# Altium PCB 继电器板.PcbDoc (part 2 of 2)
Units mm, origin at the board's own origin, x right, y up, seen from the top; angles counter-clockwise.
Board outline 160.63 x 75.01 mm, 2 copper layers (Top Layer, Bottom Layer); 170 components, 175 nets, 615 pads, 138 vias.
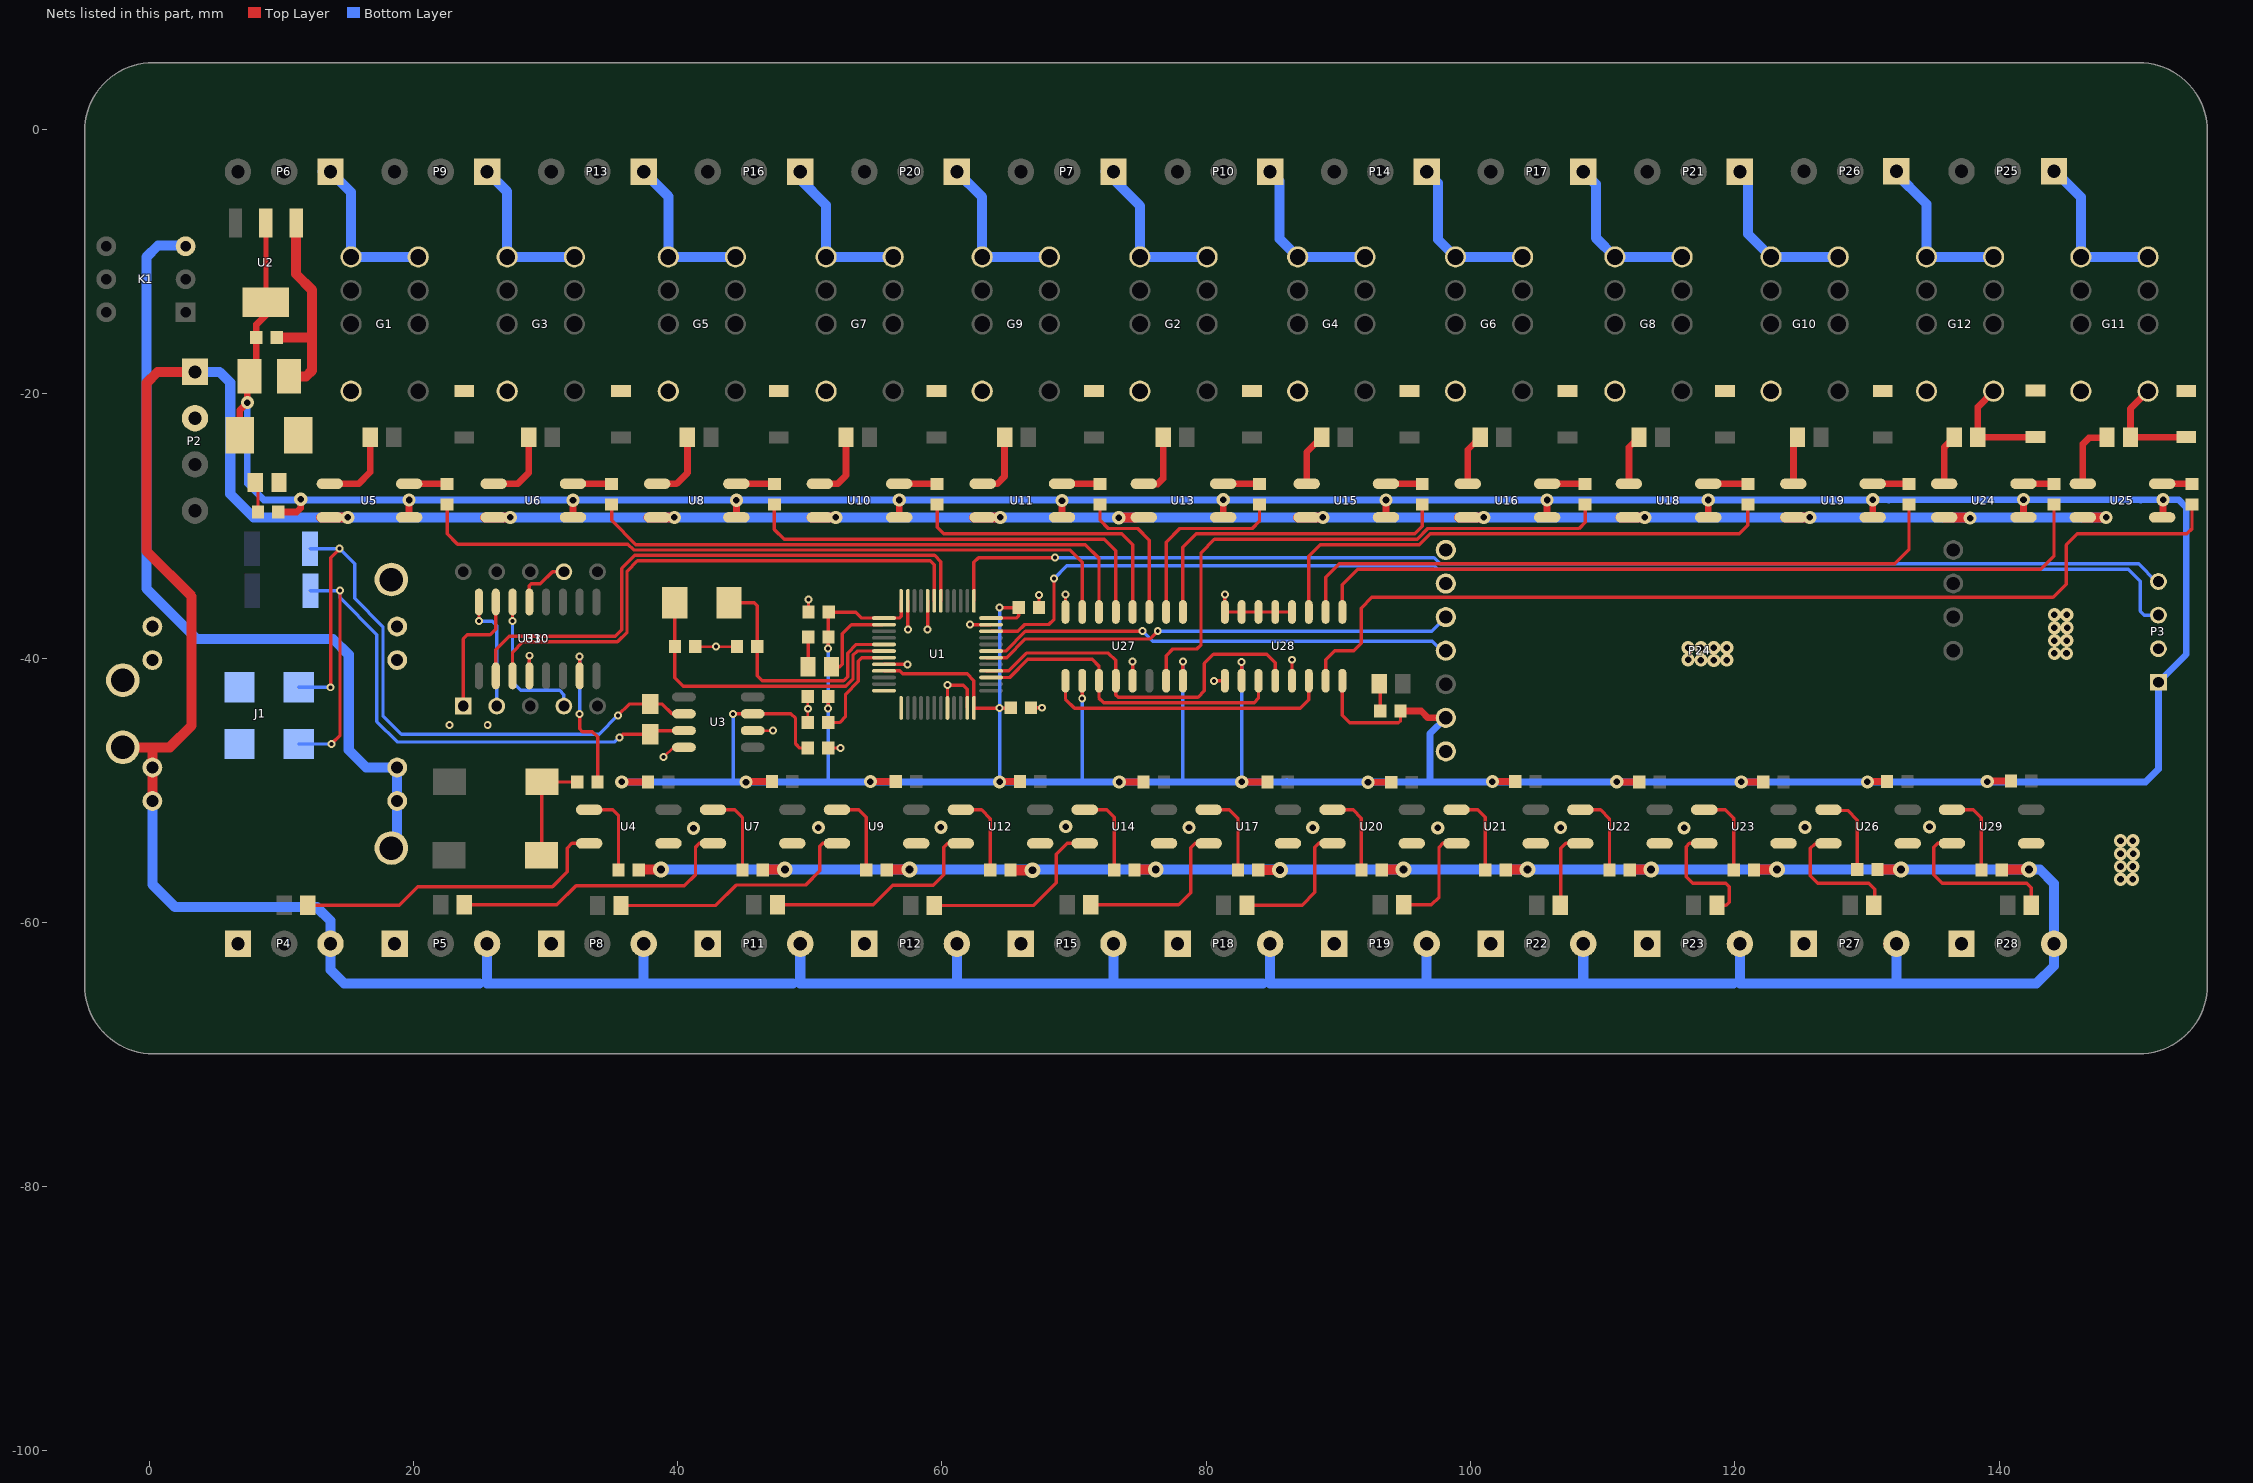
[diagram p2: the nets of this part, all layers, seen from the top]

## Via types
v1: diameter 1, hole 0.5, Top Layer to Bottom Layer, tented both sides, 73 vias
v2: diameter 0.6, hole 0.3, Top Layer to Bottom Layer, tented both sides, 51 vias
v3: diameter 1.2, hole 0.6, Top Layer to Bottom Layer, tented both sides, 12 vias
v4: diameter 1.27, hole 0.711, Top Layer to Bottom Layer, tented both sides, 1 vias
v5: diameter 0.6, hole 0.3, Top Layer to Bottom Layer, 1 vias

## Nets (pads, with @x,y where several pads share a name; then routed paths per layer and width w, separated by ;. In a path a pad name is that pad's centre, name@x,y a point inside that pad or via, vN(x,y) a via of type N, cw(c..) or ccw(c..) an arc to the next point about the centre after c; other vN are vias at no path point) (continued)
DO10: D34.K D36.2 G12.12 | length 8.4
  Top Layer w0.508: G12.12@139.573,-19.812 138.38,-21.005 D34.K@138.38,-23.292 142.723,-23.292 D36.2@142.748,-23.266
DO11: D35.2 D37.K G11.12 | length 8.2
  Top Layer w0.508: G11.12@151.257,-19.812 149.937,-21.132 D37.K@149.937,-23.292 D35.2@154.153,-23.292
DOO0: R9.1 U27.7 | length 54.9
  Top Layer w0.254: R9.1@22.555,-28.38 22.555,-30.607 23.343,-31.394 36.239,-31.394 36.67,-31.826 69.672,-31.826 70.612,-32.766 U27.7@70.612,-36.516
DOO1: R11.1 U27.6 | length 43.3
  Top Layer w0.254: R11.1@35.001,-28.38 35.001,-29.582 36.839,-31.42 70.841,-31.42 71.882,-32.461 U27.6@71.882,-36.516
DOO2: R13.1 U27.5 | length 33
  Top Layer w0.254: R13.1@47.32,-28.38 47.32,-30.277 48.057,-31.013 72.288,-31.013 73.152,-31.877 U27.5@73.152,-36.516
DOO3: R16.1 U27.4 | length 22.2
  Top Layer w0.254: R16.1@59.639,-28.38 59.639,-30.124 60.122,-30.607 73.609,-30.607 74.422,-31.42 U27.4@74.422,-36.516
DOO4: R19.1 U27.3 | length 11
  Top Layer w0.254: R19.1@71.958,-28.38 71.958,-29.591 72.568,-30.201 74.803,-30.201 75.692,-31.09 U27.3@75.692,-36.516
DOO5: R20.1 U27.2 | length 14.3
  Top Layer w0.254: U27.2@76.962,-36.516 76.962,-31.242 78.003,-30.201 83.49,-30.201 84.023,-29.667 R20.1@84.023,-28.38
DOO6: R23.1 U27.1 | length 25.3
  Top Layer w0.254: U27.1@78.232,-36.516 78.232,-31.623 79.248,-30.607 95.783,-30.607 96.342,-30.048 R23.1@96.342,-28.38
DOO7: R25.1 U27.15 | length 43.2
  Top Layer w0.254: U27.15@76.962,-41.716 76.962,-39.827 77.47,-39.319 79.273,-39.319 79.604,-38.989 79.604,-32.029 80.62,-31.013 95.952,-31.013 96.765,-30.201 108.204,-30.201 108.661,-29.743 R25.1@108.661,-28.38
DOO8: R27.1 U28.3 | length 40
  Top Layer w0.254: U28.3@87.757,-36.516 87.757,-32.283 88.621,-31.42 96.12,-31.42 96.933,-30.607 120.32,-30.607 120.98,-29.947 R27.1@120.98,-28.38
DOO9: R29.1 U28.2 | length 51
  Top Layer w0.254: U28.2@89.027,-36.516 89.027,-33.884 90.043,-32.868 132.08,-32.868 133.172,-31.775 R29.1@133.172,-28.38
DOO10: R5.1 U28.1 | length 60.7
  Top Layer w0.254: U28.1@90.297,-36.516 90.297,-34.442 91.465,-33.274 143.129,-33.274 144.145,-32.258 R5.1@144.145,-28.38
DOO11: R37.1 U28.15 | length 76.4
  Top Layer w0.254: U28.15@89.027,-41.716 89.027,-40.132 89.713,-39.446 91.161,-39.446 91.719,-38.887 91.719,-36.22 92.532,-35.408 144.069,-35.408 145.059,-34.417 145.059,-31.445 145.898,-30.607 154.203,-30.607 154.584,-30.226 R37.1@154.584,-28.38
DP: U30.16 U31.2 | length 9
  Top Layer w0.254: v2(24.968,-37.211) U30.16@24.968,-35.763
  Bottom Layer w0.254: v2(24.968,-37.211) 25.959,-37.211 26.314,-37.567 U31.2@26.314,-43.637
E: U30.13 U31.7 | length 4.3
  Top Layer w0.254: U30.13@28.778,-35.763 28.778,-34.519 28.905,-34.392 29.616,-34.392 30.531,-33.477 U31.7@31.394,-33.477
F: U30.14 U31.4 | length 11.2
  Top Layer w0.254: v2(27.508,-37.211) U30.14@27.508,-35.763
  Bottom Layer w0.254: v2(27.508,-37.211) 27.508,-41.834 28.118,-42.443 31.064,-42.443 31.394,-42.774 U31.4@31.394,-43.637
G: U30.15 U31.1 | length 9.9
  Top Layer w0.254: U31.1@23.774,-43.637 23.774,-38.557 24.079,-38.252 25.806,-38.252 26.238,-37.821 U30.15@26.238,-35.763
GND: C1.2 C2.2 C3.2 C4.2 C5.2 C6.2 C7.1 C8.2 C9.2 C10.1 D1.K D4.1 D5.1 D8.1 D9.1 D11.1 D12.1 D15.1 D16.1 D18.1 D19.1 D35.1 D36.1 D40.1 D41.1 D42.1 G1.1 G2.1 G3.1 G4.1 G5.1 G6.1 G7.1 G8.1 G9.1 G10.1 G11.1 G12.1 J1.1 J1.5 P2.2 P3.2 P4.1 P5.1 P8.1 P11.1 P12.1 P15.1 P18.1 P19.1 P22.1 P23.1 P24.1 P24.6 P24.7 P27.1 P28.1 U1.8 U1.20 U1.23 U1.35 U1.44 U1.47 U2.1 U3.2 U3.8 U4.3 U7.3 U9.3 U12.3 U14.3 U17.3 U20.3 U21.3 U22.3 U23.3 U26.3 U27.8 U27.13 U28.4 U28.5 U28.6 U28.7 U28.8 U28.9 U28.13 U29.3 U30.4 | length 54
  Top Layer w0.2: v2(38.938,-47.498) 39.675,-46.761 U3.8@40.478,-46.761 ; C9.2@41.334,-39.141 C6.2@44.493,-39.141 ; U3.2@45.678,-45.491 v2(47.219,-45.491) ; C10.1@49.852,-44.882 C3.2@49.852,-42.926 ; C1.2@49.903,-36.525 v2(49.903,-35.568) ; C8.2@51.392,-46.812 v2(52.328,-46.812)
  Top Layer w0.254: U30.4@28.778,-41.351 v2(28.778,-39.827) ; U1.8@55.615,-40.476 v2(57.391,-40.476) ; v2(57.415,-37.835) U1.47@57.415,-35.676 ; v2(58.915,-37.834) U1.44@58.915,-35.676 ; U1.20@60.415,-43.776 v2(60.415,-42.049) 61.607,-42.049 61.915,-42.357 U1.23@61.915,-43.776 ; v2(62.114,-37.476) U1.35@63.715,-37.476 ; C4.2@66.734,-43.764 v2(67.564,-43.764) ; C2.2@67.343,-36.195 v2(67.343,-35.247) ; U27.8@69.342,-36.516 v2(69.342,-35.179) ; U27.13@74.422,-41.716 v2(74.422,-40.259) ; v2(80.594,-41.732) 81.391,-41.732 U28.9@81.407,-41.716 ; v2(81.407,-35.179) U28.8@81.407,-36.516 U28.7@82.677,-36.516 U28.6@83.947,-36.516 U28.5@85.217,-36.516 U28.4@86.487,-36.516 ; U28.13@86.487,-41.716 v2(86.487,-40.132)
  Top Layer w0.762: C7.1@9.66,-15.748 12.268,-15.748 ; C5.2@10.593,-18.694 11.887,-18.694 12.344,-18.237 12.344,-12.167 11.114,-10.936 11.114,-7.109 U2.1@11.139,-7.084
  other v1: 149.174,-56.744 150.089,-56.744 149.174,-55.778 150.114,-55.778 149.174,-54.813 150.139,-54.813 149.174,-53.823 150.114,-53.823 41.199,-52.883 97.511,-52.857 116.154,-52.857 50.648,-52.832 78.689,-52.832 88.062,-52.832 106.807,-52.832 59.919,-52.807 125.298,-52.807 134.722,-52.781 69.367,-52.756 118.389,-40.183 117.424,-40.157 119.38,-40.157 116.459,-40.132 144.17,-39.649 145.085,-39.649 116.459,-39.218 117.424,-39.218 118.389,-39.218 119.38,-39.218 144.17,-38.684 145.11,-38.684 144.17,-37.719 145.136,-37.719 144.17,-36.728 145.11,-36.728
  other v2: 22.733,-45.06 25.629,-45.06 49.852,-43.84 42.913,-39.141
JTCK: P3.4 U1.37 | length 93.4
  Top Layer w0.254: U1.37@62.415,-35.676 62.415,-32.759 62.763,-32.41 v2(68.555,-32.41)
  Bottom Layer w0.254: v2(68.555,-32.41) 97.232,-32.41 97.689,-32.868 150.546,-32.868 151.892,-34.214 P3.4@152.044,-34.214
JTMS: P3.3 U1.34 | length 95.1
  Top Layer w0.254: U1.34@63.715,-37.976 65.742,-37.976 66.253,-37.465 68.072,-37.465 68.478,-37.059 v2(68.478,-33.985)
  Bottom Layer w0.254: v2(68.478,-33.985) 69.444,-33.02 97.267,-33.02 97.521,-33.274 149.758,-33.274 150.673,-34.188 150.673,-36.449 150.978,-36.754 P3.3@152.044,-36.754
LED1: D2.K U1.2 | length 6.5
  Top Layer w0.254: D2.K@51.639,-40.665 52.273,-40.665 52.451,-40.488 52.451,-38.176 53.152,-37.476 U1.2@55.488,-37.476
NetC6_1: C6.1 U1.5 Y1.1 | length 19.4
  Top Layer w0.254: Y1.1@43.884,-35.814 45.796,-35.814 46.033,-36.051 C6.1@46.033,-39.141 46.033,-41.359 46.406,-41.732 52.553,-41.732 52.857,-41.427 52.857,-39.624 53.506,-38.976 U1.5@55.488,-38.976
NetC9_1: C9.1 U1.6 Y1.2 | length 24.6
  Top Layer w0.254: Y1.2@40.357,-35.255 39.794,-35.819 C9.1@39.794,-39.141 39.794,-41.496 40.437,-42.139 52.721,-42.139 53.264,-41.596 53.264,-39.792 53.581,-39.476 U1.6@55.488,-39.476
NetD1_A: D1.A R1.2 | length 2.3
  Top Layer w0.254: D1.A@8.051,-26.721 8.247,-26.917 R1.2@8.247,-28.956
NetD2_A: D2.A R2.1 | length 2.3
  Top Layer w0.254: D2.A@49.859,-40.665 49.878,-40.647 R2.1@49.878,-38.405
NetD3_A: D3.A U4.2 | length 24.3
  Top Layer w0.254: D3.A@12.015,-58.699 18.923,-58.699 20.32,-57.302 30.531,-57.302 31.648,-56.185 31.648,-54.381 32.004,-54.026 U4.2@33.304,-54.026
NetD6_A: D6.A U7.2 | length 22
  Top Layer w0.254: D6.A@23.852,-58.674 30.861,-58.674 32.309,-57.226 40.513,-57.226 41.351,-56.388 41.351,-54.305 41.631,-54.026 U7.2@42.679,-54.026
NetD7_A: D7.A U9.2 | length 19.4
  Top Layer w0.254: D7.A@35.713,-58.725 42.901,-58.725 44.45,-57.175 49.682,-57.175 50.749,-56.109 50.749,-54.254 50.978,-54.026 U9.2@52.054,-54.026
NetD10_A: D10.A U12.2 | length 17
  Top Layer w0.254: D10.A@47.55,-58.674 54.788,-58.674 56.261,-57.201 59.334,-57.201 60.147,-56.388 60.147,-54.331 60.452,-54.026 U12.2@61.429,-54.026
NetD13_A: D13.A U14.2 | length 14.6
  Top Layer w0.254: D13.A@59.412,-58.725 66.954,-58.725 68.656,-57.023 68.656,-54.839 69.469,-54.026 U14.2@70.804,-54.026
NetD14_A: D14.A U17.2 | length 12.8
  Top Layer w0.254: D14.A@71.248,-58.674 77.902,-58.674 78.816,-57.76 78.816,-54.356 79.146,-54.026 U17.2@80.179,-54.026
NetD17_A: D17.A U20.2 | length 10.4
  Top Layer w0.254: D17.A@83.084,-58.699 87.249,-58.699 88.214,-57.734 88.214,-54.331 88.519,-54.026 U20.2@89.554,-54.026
NetD20_A: D20.A U21.2 | length 8.1
  Top Layer w0.254: D20.A@94.946,-58.674 97.028,-58.674 97.612,-58.09 97.612,-54.305 97.892,-54.026 U21.2@98.928,-54.026
NetD21_A: D21.A U22.2 | length 5.9
  Top Layer w0.254: D21.A@106.783,-58.699 106.832,-58.65 106.832,-54.407 107.213,-54.026 U22.2@108.303,-54.026
NetD22_A: D22.A U23.2 | length 9.5
  Top Layer w0.254: U23.2@117.678,-54.026 116.561,-54.026 116.307,-54.28 116.307,-56.54 116.815,-57.048 119.304,-57.048 119.558,-57.302 119.558,-58.471 119.329,-58.699 D22.A@118.644,-58.699
NetD23_A: D23.A R4.2 | length 2.1
  Top Layer w0.254: D23.A@93.09,-41.935 93.159,-42.005 R4.2@93.159,-44.018
NetD24_A: D24.A U5.3 | length 6.6
  Top Layer w0.508: U5.3@13.03,-26.822 15.85,-26.822 16.738,-25.934 D24.A@16.738,-23.419
NetD25_A: D25.A U6.3 | length 6.3
  Top Layer w0.508: U6.3@25.43,-26.822 27.889,-26.822 28.738,-25.974 D25.A@28.738,-23.292
NetD26_A: D26.A U8.3 | length 6
  Top Layer w0.508: U8.3@37.795,-26.822 39.903,-26.822 40.738,-25.988 D26.A@40.738,-23.292
NetD27_A: D27.A U10.3 | length 5.8
  Top Layer w0.508: U10.3@50.114,-26.822 52.095,-26.822 52.738,-26.18 D27.A@52.738,-23.292
NetD28_A: D28.A U11.3 | length 5.5
  Top Layer w0.508: U11.3@62.433,-26.822 64.186,-26.822 64.738,-26.27 D28.A@64.738,-23.292
NetD29_A: D29.A U13.3 | length 5.4
  Top Layer w0.508: U13.3@74.625,-26.822 74.651,-26.848 76.302,-26.848 76.738,-26.411 D29.A@76.738,-23.292
NetD30_A: D30.A U15.3 | length 4
  Top Layer w0.508: U15.3@87.594,-26.822 87.594,-24.436 D30.A@88.738,-23.292
NetD31_A: D31.A U16.3 | length 3.9
  Top Layer w0.508: U16.3@99.786,-26.822 99.786,-24.244 D31.A@100.738,-23.292
NetD32_A: D32.A U18.3 | length 3.8
  Top Layer w0.508: U18.3@111.978,-26.822 111.978,-24.052 D32.A@112.738,-23.292
NetD33_A: D33.A U19.3 | length 3.7
  Top Layer w0.508: U19.3@124.424,-26.822 124.424,-23.606 D33.A@124.738,-23.292
NetD34_A: D34.A U24.3 | length 3.8
  Top Layer w0.508: U24.3@135.834,-26.822 135.834,-24.058 D34.A@136.6,-23.292
NetD37_A: D37.A U25.3 | length 5.1
  Top Layer w0.508: U25.3@146.324,-26.822 146.324,-23.805 146.787,-23.343 148.106,-23.343 D37.A@148.157,-23.292
NetD38_A: D38.A U26.2 | length 10.1
  Top Layer w0.254: U26.2@127.076,-54.077 126.035,-54.077 125.705,-54.407 125.705,-56.49 126.263,-57.048 130.124,-57.048 130.582,-57.507 D38.A@130.582,-58.699
NetD39_A: D39.A U29.2 | length 12.7
  Top Layer w0.254: U29.2@136.423,-54.026 135.331,-54.026 135.052,-54.305 135.052,-56.413 135.687,-57.048 142.088,-57.048 142.419,-57.38 D39.A@142.419,-58.699
NetD41_2: D41.2 F1.2 R3.2 U3.7 | length 51.9
  Top Layer w0.254: v2(13.792,-46.507) 14.453,-45.847 v2(14.453,-34.9) ; v2(35.585,-46.025) 35.839,-45.771 R3.2@37.922,-45.771 38.202,-45.491 U3.7@40.478,-45.491
  Bottom Layer w0.254: D41.2@11.343,-46.507 v2(13.792,-46.507) ; F1.2@12.208,-34.9 v2(14.453,-34.9) 14.453,-35.458 17.221,-38.227 17.221,-44.806 18.771,-46.355 35.255,-46.355 v2(35.585,-46.025)
NetD42_2: D42.2 F2.2 R3.1 U3.6 | length 54
  Top Layer w0.254: v2(13.741,-42.215) 13.741,-32.41 v2(14.427,-31.725) ; v2(35.484,-44.348) 36.347,-43.485 R3.1@37.922,-43.485 38.837,-43.485 39.573,-44.221 U3.6@40.478,-44.221
  Bottom Layer w0.254: D42.2@11.343,-42.215 v2(13.741,-42.215) ; F2.2@12.182,-31.725 v2(14.427,-31.725) 15.57,-32.868 15.57,-35.484 17.704,-37.617 17.704,-44.374 19.101,-45.771 34.061,-45.771 v2(35.484,-44.348)
NetKEY1_2: KEY1.2 KEY2.2 R6.1 | length 7.3
  Top Layer w0.254: KEY2.2@29.708,-54.026 29.708,-49.378 R6.1@32.402,-49.378
NetR5_2: R5.2 U24.2 | length 2.3
  Top Layer w0.508: U24.2@141.834,-26.822 R5.2@144.145,-26.822
NetR6_2: R6.2 U30.7 | length 12
  Top Layer w0.254: v2(32.588,-44.221) 32.588,-45.364 32.791,-45.568 33.553,-45.568 33.942,-45.957 R6.2@33.942,-49.378 ; U30.7@32.588,-41.351 v2(32.588,-39.878)
  Bottom Layer w0.254: v2(32.588,-44.221) v2(32.588,-39.878) v2@32.614,-39.853
NetR7_1: R7.1 U4.1 | length 6.5
  Top Layer w0.254: U4.1@33.304,-51.486 35.077,-51.486 35.527,-51.935 R7.1@35.527,-56.032
NetR9_2: R9.2 U5.2 | length 2.9
  Top Layer w0.508: U5.2@19.68,-26.822 R9.2@22.555,-26.822
NetR10_1: R10.1 U7.1 | length 6.4
  Top Layer w0.254: U7.1@42.679,-51.486 44.323,-51.486 44.902,-52.064 R10.1@44.902,-56.032
NetR11_2: R11.2 U6.2 | length 2.9
  Top Layer w0.508: U6.2@32.08,-26.822 R11.2@35.001,-26.822
NetR13_2: R13.2 U8.2 | length 2.9
  Top Layer w0.508: U8.2@44.445,-26.822 R13.2@47.32,-26.822
NetR14_1: R14.1 U9.1 | length 6.4
  Top Layer w0.254: U9.1@52.054,-51.486 53.721,-51.486 54.276,-52.041 R14.1@54.276,-56.032
NetR16_2: R16.2 U10.2 | length 2.9
  Top Layer w0.508: U10.2@56.764,-26.822 R16.2@59.639,-26.822
NetR17_1: R17.1 U12.1 | length 6.4
  Top Layer w0.254: U12.1@61.429,-51.486 62.992,-51.486 63.651,-52.145 R17.1@63.651,-56.032
NetR19_2: R19.2 U11.2 | length 2.9
  Top Layer w0.508: U11.2@69.083,-26.822 R19.2@71.958,-26.822
NetR20_2: R20.2 U13.2 | length 2.7
  Top Layer w0.508: U13.2@81.275,-26.822 R20.2@84.023,-26.822
NetR21_1: R21.1 U14.1 | length 6.4
  Top Layer w0.254: U14.1@70.804,-51.486 72.466,-51.486 73.026,-52.046 R21.1@73.026,-56.032
NetR23_2: R23.2 U15.2 | length 2.7
  Top Layer w0.508: U15.2@93.594,-26.822 R23.2@96.342,-26.822
NetR24_1: R24.1 U17.1 | length 6.4
  Top Layer w0.254: U17.1@80.179,-51.486 81.737,-51.486 82.401,-52.15 R24.1@82.401,-56.032
NetR25_2: R25.2 U16.2 | length 2.9
  Top Layer w0.508: U16.2@105.786,-26.822 R25.2@108.661,-26.822
NetR27_2: R27.2 U18.2 | length 3
  Top Layer w0.508: U18.2@117.978,-26.822 R27.2@120.98,-26.822
NetR28_1: R28.1 U20.1 | length 6.4
  Top Layer w0.254: U20.1@89.554,-51.486 91.11,-51.486 91.737,-52.113 R28.1@91.737,-56.032
NetR29_2: R29.2 U19.2 | length 2.7
  Top Layer w0.508: U19.2@130.424,-26.822 R29.2@133.172,-26.822
NetR31_1: R31.1 U21.1 | length 6.4
  Top Layer w0.254: U21.1@98.928,-51.486 100.533,-51.486 101.109,-52.062 R31.1@101.109,-56.032
NetR33_1: R33.1 U22.1 | length 6.4
  Top Layer w0.254: U22.1@108.303,-51.486 109.83,-51.486 110.507,-52.164 R33.1@110.507,-56.032
NetR35_1: R35.1 U23.1 | length 6.4
  Top Layer w0.254: U23.1@117.678,-51.486 119.278,-51.486 119.901,-52.108 R35.1@119.901,-56.032
NetR37_2: R37.2 U25.2 | length 2.3
  Top Layer w0.508: U25.2@152.324,-26.822 R37.2@154.584,-26.822
NetR38_1: R38.1 U26.1 | length 6.2
  Top Layer w0.254: U26.1@127.076,-51.537 128.524,-51.537 129.253,-52.265 R38.1@129.253,-56.007
NetR40_1: R40.1 U29.1 | length 6.4
  Top Layer w0.254: U29.1@136.423,-51.486 138.049,-51.486 138.651,-52.087 R40.1@138.651,-56.032
NetU27_9: U27.9 U28.14 | length 21.9
  Top Layer w0.254: U27.9@69.342,-41.716 69.342,-43.104 70.028,-43.79 87.122,-43.79 87.757,-43.155 U28.14@87.757,-41.589
NRST: C10.2 U1.7 | length 8
  Top Layer w0.254: C10.2@51.392,-44.882 52.248,-44.882 52.705,-44.425 52.705,-42.729 53.67,-41.764 53.67,-40.234 53.928,-39.976 U1.7@55.488,-39.976
OPEN_0: G1.5 G1.8 P6.1 | length 12.6
  Bottom Layer w0.762: P6.1@13.147,-3.2 P6.1@13.439,-3.492 ; P6.1@13.731,-3.2 15.291,-4.76 G1.5@15.291,-9.652 G1.8@20.371,-9.652
OPEN_1: G3.5 G3.8 P9.1 | length 12.6
  Bottom Layer w0.762: P9.1@24.996,-3.2 P9.1@25.288,-3.492 ; P9.1@25.58,-3.2 27.102,-4.722 G3.5@27.102,-9.652 G3.8@32.182,-9.652
OPEN_2: G5.5 G5.8 P13.1 | length 12.7
  Bottom Layer w0.762: P13.1@36.845,-3.2 P13.1@37.137,-3.492 ; P13.1@37.429,-3.2 39.294,-5.065 G5.5@39.294,-9.652 G5.8@44.374,-9.652
OPEN_3: G7.5 G7.8 P16.1 | length 13.2
  Bottom Layer w0.762: P16.1@48.694,-3.2 P16.1@49.278,-3.785 ; P16.1@49.278,-3.2 P16.1@49.278,-3.785 ; G7.8@56.312,-9.652 G7.5@51.232,-9.652 51.232,-5.738 P16.1@49.278,-3.785
OPEN_4: G9.5 G9.8 P20.1 | length 12.7
  Bottom Layer w0.762: P20.1@60.543,-3.2 P20.1@60.835,-3.492 ; P20.1@61.127,-3.2 63.043,-5.116 G9.5@63.043,-9.652 G9.8@68.123,-9.652
OPEN_5: G2.5 G2.8 P7.1 | length 13.2
  Bottom Layer w0.762: P7.1@72.392,-3.2 P7.1@72.977,-3.785 ; P7.1@72.977,-3.2 P7.1@72.977,-3.785 ; G2.8@80.061,-9.652 G2.5@74.981,-9.652 74.981,-5.789 P7.1@72.977,-3.785
OPEN_6: G4.5 G4.8 P10.1 | length 12.8
  Bottom Layer w0.762: P10.1@84.241,-3.2 P10.1@84.534,-3.492 ; P10.1@84.826,-3.2 85.547,-3.922 85.547,-8.28 G4.5@86.919,-9.652 G4.8@91.999,-9.652
OPEN_7: G6.5 G6.8 P14.1 | length 12.8
  Bottom Layer w0.762: P14.1@96.091,-3.2 P14.1@96.383,-3.492 ; P14.1@96.675,-3.2 97.536,-4.062 97.536,-8.331 G6.5@98.857,-9.652 G6.8@103.937,-9.652
OPEN_8: G8.5 G8.8 P17.1 | length 12.9
  Bottom Layer w0.762: P17.1@107.94,-3.2 107.95,-3.2 P17.1@108.237,-3.487 ; P17.1@108.524,-3.2 109.474,-4.151 109.474,-8.204 G8.5@110.922,-9.652 G8.8@116.002,-9.652
OPEN_9: G10.5 G10.8 P21.1 | length 12.6
  Bottom Layer w0.762: P21.1@120.165,-3.2 120.995,-4.03 120.995,-7.914 G10.5@122.733,-9.652 G10.8@127.813,-9.652
OPEN_10: G12.5 G12.8 P26.1 | length 12.6
  Bottom Layer w0.762: P26.1@132.019,-3.175 134.493,-5.649 G12.5@134.493,-9.652 G12.8@139.573,-9.652
OPEN_11: G11.5 G11.8 P25.1 | length 12.4
  Bottom Layer w0.762: P25.1@144.221,-3.175 146.177,-5.131 G11.5@146.177,-9.652 G11.8@151.257,-9.652
RCLK: U1.28 U27.12 U28.12 | length 29.5
  Top Layer w0.254: U1.28@63.334,-40.976 65.041,-40.976 66.393,-39.624 72.593,-39.624 73.152,-40.183 U27.12@73.152,-41.716 73.152,-42.799 73.33,-42.977 79.375,-42.977 79.858,-42.494 79.858,-40.411 80.543,-39.726 84.582,-39.726 85.217,-40.361 U28.12@85.217,-41.716
SCL: U1.42 U30.2 | length 44.5
  Top Layer w0.254: U30.2@26.238,-41.351 26.238,-39.37 27.254,-38.354 35.281,-38.354 35.763,-37.871 35.763,-33.223 36.754,-32.233 59.436,-32.233 59.915,-32.711 U1.42@59.915,-35.676
SDA: U1.43 U30.3 | length 42.1
  Top Layer w0.254: U30.3@27.508,-41.351 27.508,-39.548 28.296,-38.76 35.449,-38.76 36.17,-38.04 36.17,-33.426 36.957,-32.639 59.102,-32.639 59.415,-32.952 U1.43@59.415,-35.676
SRCLK: U1.27 U27.11 U28.11 | length 25.4
  Top Layer w0.254: U1.27@63.334,-41.476 65.116,-41.476 66.485,-40.107 71.374,-40.107 71.882,-40.615 U27.11@71.882,-41.716 71.882,-43.028 72.238,-43.383 83.617,-43.383 83.947,-43.053 U28.11@83.947,-41.716
U1_RX: P24.4 U1.31 | length 36.1
  Top Layer w0.254: U1.31@63.334,-39.476 64.817,-39.476 66.319,-37.973 v2(75.184,-37.973)
  Bottom Layer w0.254: v2(75.184,-37.973) 75.946,-38.735 97.104,-38.735 97.815,-39.446 P24.4@98.12,-39.446 ; P24.4@98.298,-39.091 P24.4@98.349,-39.141
U1_TX: P24.5 U1.30 | length 36.1
  Top Layer w0.254: U1.30@63.334,-39.976 64.892,-39.976 66.31,-38.557 75.743,-38.557 v2(76.327,-37.973)
  Bottom Layer w0.254: v2(76.327,-37.973) 97.053,-37.973 P24.5@98.12,-36.906
U2_RX: U1.13
U2_TX: U1.12
VCC: J1.3 K1.3 | length 63.5
  Bottom Layer w0.762: K1.3@2.769,-8.788 0.686,-8.788 -0.203,-9.677 -0.203,-34.747 3.607,-38.557 13.919,-38.557 15.113,-39.751 15.113,-46.965 16.434,-48.285 J1.3@18.778,-48.285 J1.3@18.778,-50.825 18.778,-53.942 J1.3@18.339,-54.381
VCC3.3: C1.1 C2.1 C3.1 C4.1 C5.1 C7.2 C8.1 D40.2 P3.1 P24.2 R1.1 R2.2 R4.1 R8.2 R12.2 R15.2 R18.2 R22.2 R26.2 R30.2 R32.2 R34.2 R36.2 R39.2 R41.2 U1.1 U1.9 U1.24 U1.36 U1.48 U2.2 U3.3 U5.1 U6.1 U8.1 U10.1 U11.1 U13.1 U15.1 U16.1 U18.1 U19.1 U24.1 U25.1 U27.10 U27.16 U28.10 U28.16 | length 457.7
  Top Layer w0.254: U6.1@32.055,-29.388 U6.1@32.08,-29.362 ; v2(44.196,-44.221) U3.3@45.678,-44.221 48.565,-44.221 48.92,-44.577 48.92,-46.507 49.225,-46.812 C8.1@49.852,-46.812 ; v2(51.384,-43.815) 51.384,-42.934 C3.1@51.392,-42.926 ; v2(51.384,-39.268) 51.384,-36.584 C1.1@51.443,-36.525 ; C1.1@51.748,-36.525 53.467,-36.525 53.917,-36.976 U1.1@55.615,-36.976 56.776,-36.976 56.915,-36.837 U1.48@56.915,-35.676 ; U1.9@55.615,-40.976 56.8,-40.976 57.023,-41.199 61.9,-41.199 62.415,-41.714 U1.24@62.415,-43.776 62.429,-43.79 v2(64.364,-43.79) 65.168,-43.79 C4.1@65.194,-43.764 ; U1.36@63.715,-36.976 65.615,-36.976 65.803,-36.787 C2.1@65.803,-36.195 v2(64.364,-36.195) ; v2(70.612,-43.053) U27.10@70.612,-41.716 ; U27.16@78.232,-41.716 v2(78.232,-40.259) ; U28.10@82.677,-41.716 v2(82.677,-40.31) ; U28.16@90.297,-41.716 90.297,-44.348 90.856,-44.907 94.539,-44.907 94.699,-44.747 R4.1@94.699,-44.018
  Top Layer w0.381: U2.2@8.814,-13.084 8.839,-13.058 U2.2@8.839,-7.084
  Top Layer w0.508: D40.2@6.858,-23.139 6.858,-21.26 v1(7.442,-20.676) 7.442,-19.431 C5.1@7.544,-19.329 ; C5.1@7.593,-18.694 8.12,-18.168 C7.2@8.12,-15.748 8.12,-14.765 8.839,-14.046 U2.2@8.839,-13.084 ; R1.1@9.787,-28.956 11.176,-28.956 11.481,-28.651 v1(11.481,-27.991) ; U5.1@19.68,-29.362 v1(19.68,-28.046) ; U6.1@32.08,-29.362 v1(32.08,-28.067) ; v1(35.763,-49.378) R8.2@37.762,-49.378 ; U8.1@44.445,-29.362 v1(44.445,-28.062) ; v1(45.175,-49.392) 45.215,-49.352 R12.2@47.134,-49.352 ; v1(54.587,-49.355) 54.59,-49.352 R15.2@56.507,-49.352 ; U10.1@56.764,-29.362 v1(56.764,-28.046) ; v1(64.364,-49.378) 64.389,-49.352 R18.2@65.905,-49.352 ; U11.1@69.083,-29.362 v1(69.083,-28.092) v1@69.083,-28.046 ; v1(73.412,-49.383) 73.417,-49.378 R22.2@75.252,-49.378 ; U13.1@81.275,-29.362 v1(81.275,-28.021) ; v1(82.677,-49.378) R26.2@84.625,-49.378 ; v1(92.236,-49.395) 92.244,-49.403 R30.2@93.997,-49.403 ; U15.1@93.594,-29.362 v1(93.594,-28.046) ; R4.1@94.699,-44.018 96.266,-44.018 96.774,-44.526 P24.2@98.12,-44.526 ; v1(101.648,-49.355) 101.651,-49.352 R32.2@103.37,-49.352 ; U16.1@105.786,-29.362 v1(105.786,-28.046) ; v1(111.06,-49.363) 111.074,-49.378 R34.2@112.768,-49.378 ; U18.1@117.978,-29.362 v1(117.978,-28.046) ; v1(120.472,-49.378) R36.2@122.141,-49.378 ; v1(130.023,-49.378) 130.048,-49.352 R39.2@131.513,-49.352 ; U19.1@130.424,-29.362 v1(130.424,-28.021) ; v1(139.09,-49.352) 139.141,-49.301 R41.2@140.886,-49.301 ; U24.1@141.834,-29.362 v1(141.834,-28.016) ; U25.1@152.324,-29.362 152.395,-29.291 v1(152.395,-28.021)
  Bottom Layer w0.254: 44.145,-49.378 44.196,-49.327 v2(44.196,-44.221) ; 51.384,-49.378 v2(51.384,-43.815) v2(51.384,-39.268) ; v1@54.127,-49.378 v1@54.178,-49.327 ; v1(64.364,-49.378) v2(64.364,-43.79) v2(64.364,-36.195) ; 70.612,-49.378 v2(70.612,-43.053) ; 78.232,-49.378 v2(78.232,-40.259) ; v2(82.677,-40.31) 82.677,-49.231 v1@82.824,-49.378
  Bottom Layer w0.381: 41.097,-49.378 41.109,-49.365
  Bottom Layer w0.508: v1(7.442,-20.676) 7.442,-26.797 8.692,-28.046 v1(19.68,-28.046) v1(56.764,-28.046) 81.25,-28.046 v1@81.255,-28.042 ; v1(35.763,-49.378) 41.097,-49.378 44.145,-49.378 51.384,-49.378 54.127,-49.378 v1(64.364,-49.378) 70.612,-49.378 78.232,-49.378 82.824,-49.378 86.055,-49.378 ; 79.305,-28.042 v1@81.255,-28.042 ; v1(81.275,-28.021) v1@81.255,-28.042 ; 86.081,-49.352 86.055,-49.378 ; P24.2@98.12,-44.526 96.926,-45.72 96.926,-49.378 ; v1@130.424,-28.042 v1@81.255,-28.042 ; v1(130.424,-28.021) 131.623,-28.021 ; 131.648,-28.046 131.623,-28.021 ; 150.698,-28.046 150.724,-28.021 ; 86.055,-49.378 96.926,-49.378 ; 96.926,-49.378 v1(130.023,-49.378) 151.079,-49.378 152.044,-48.412 P3.1@152.044,-41.834 154.153,-39.726 154.153,-28.6 153.573,-28.021 v1(152.395,-28.021) 150.724,-28.021 ; 131.623,-28.021 150.724,-28.021
VCC24: J1.2 P2.1 P4.3 P5.3 P8.3 P11.3 P12.3 P15.3 P18.3 P19.3 P22.3 P23.3 P27.3 P28.3 R7.2 R10.2 R14.2 R17.2 R21.2 R24.2 R28.2 R31.2 R33.2 R35.2 R38.2 R40.2 U5.4 U6.4 U8.4 U10.4 U11.4 U13.4 U15.4 U16.4 U18.4 U19.4 U24.4 U25.4 | length 533.7
  Top Layer w0.762: J1.2@-1.981,-46.761 0.178,-46.761 ; J1.2@0.254,-50.825 J1.2@0.254,-48.285 0.254,-46.838 0.178,-46.761 ; P2.1@3.48,-18.354 0.645,-18.354 -0.203,-19.202 -0.203,-31.902 3.226,-35.331 3.226,-45.11 1.575,-46.761 0.178,-46.761 ; U5.4@13.03,-29.362 v1(15.037,-29.362) ; U6.4@25.43,-29.362 v1(27.33,-29.362) ; R7.2@37.067,-56.032 37.092,-56.007 v3(38.735,-56.007) ; U8.4@37.795,-29.362 v1(39.751,-29.362) ; R10.2@46.442,-56.032 46.467,-56.007 v3(48.108,-56.007) ; U10.4@50.114,-29.362 v1(51.968,-29.362) ; R14.2@55.816,-56.032 55.842,-56.007 v3(57.531,-56.007) ; U11.4@62.433,-29.362 v1(64.414,-29.362) ; R17.2@65.191,-56.032 65.217,-56.058 v3(66.853,-56.058) ; v1(73.381,-29.388) 73.406,-29.362 U13.4@74.625,-29.362 ; R21.2@74.566,-56.032 74.592,-56.007 v3(76.175,-56.007) ; R24.2@83.941,-56.032 v3(85.573,-56.032) ; U15.4@86.944,-29.362 v1(88.824,-29.362) ; R28.2@93.277,-56.032 93.302,-56.007 v3(94.92,-56.007) ; U16.4@99.136,-29.362 v1(100.99,-29.362) ; R31.2@102.649,-56.032 102.675,-56.007 v3(104.292,-56.007) ; U18.4@111.328,-29.362 v1(113.182,-29.362) ; R33.2@112.047,-56.032 112.073,-56.007 v3(113.665,-56.007) ; R35.2@121.441,-56.032 121.466,-56.007 v3(123.19,-56.007) ; U19.4@123.774,-29.362 U19.4@124.424,-29.362 v1(125.654,-29.362) ; R38.2@130.793,-56.007 v3(132.563,-56.007) ; P27.3@131.638,-61.62 P27.3@132.019,-61.62 ; U24.4@135.834,-29.362 137.744,-29.362 v1(137.795,-29.413) ; R40.2@140.191,-56.032 140.216,-56.007 v3(142.24,-56.007) ; U25.4@146.324,-29.362 v1(148.082,-29.362)
  Bottom Layer w0.762: J1.2@0.254,-50.825 0.254,-57.125 1.981,-58.852 12.7,-58.852 13.731,-59.883 P4.3@13.731,-61.62 13.731,-63.591 14.757,-64.618 25.019,-64.618 ; P2.1@3.48,-18.354 5.35,-18.354 6.147,-19.152 6.147,-27.584 7.925,-29.362 v1(15.037,-29.362) v1(27.33,-29.362) v1(39.751,-29.362) v1(51.968,-29.362) v1(64.414,-29.362) v1(88.824,-29.362) v1(100.99,-29.362) v1(113.182,-29.362) v1(125.654,-29.362) v1(148.082,-29.362) ; 25.58,-64.618 48.717,-64.618 ; 25.58,-64.569 P5.3@25.58,-61.62 ; 37.429,-64.603 P8.3@37.429,-61.62 ; v3(38.735,-56.007) v3(48.108,-56.007) v3(57.531,-56.007) v3(76.175,-56.007) v3(94.92,-56.007) v3(104.292,-56.007) v3(113.665,-56.007) v3(123.19,-56.007) v3(132.563,-56.007) v3(142.24,-56.007) 143.078,-56.007 144.145,-57.074 P28.3@144.145,-61.62 144.145,-63.297 142.824,-64.618 120.373,-64.618 ; 49.278,-64.618 84.277,-64.618 ; 49.278,-64.544 P11.3@49.278,-61.62 ; 61.127,-64.577 P12.3@61.127,-61.62 ; 72.977,-64.442 P15.3@72.977,-61.62 ; 84.826,-64.618 97.104,-64.618 119.888,-64.618 ; 84.826,-64.607 P18.3@84.826,-61.62 ; 96.675,-64.59 P19.3@96.675,-61.62 ; 108.524,-64.531 P22.3@108.524,-61.62 ; 120.373,-64.468 P23.3@120.373,-61.62 ; 132.222,-64.552 P27.3@132.222,-61.62
pads on no net: K1.1 K1.4 K1.5 K1.6 P24.0 U1.3 U1.4 U1.32 U1.33 U1.38 U1.39 U1.40 U1.41 U3.5 U30.6
copper on no net:
  other v4: 13.614,-97.18

## Polygon pours and split planes (outlines as drawn)
GND on Bottom Layer "Top Layer-No Net" (hatched 90Degree grid 0.2 track 0.2, remove dead copper, pour order 6): -4.877,-17.018 155.753,-17.018 155.753,-69.977 -4.953,-69.977 -4.877,-69.901 -4.877,-17.018
GND on Top Layer "Top Layer-No Net" (hatched 90Degree grid 0.2 track 0.2, remove dead copper, pour order 4): -4.902,-17.145 155.753,-17.145 155.753,-69.977 -4.953,-69.977 -4.877,-69.901 -4.877,-17.145

## Keep-outs
Keep-Out Layer:
  lines w0.2: 0.33,-69.952 cw(c0.33,-64.745) -4.877,-64.745 -4.877,-0.152 cw(c0.33,-0.152) 0.33,5.055 150.546,5.055 cw(c150.546,-0.152) 155.753,-0.152 155.753,-64.745 cw(c150.546,-64.745) 150.546,-69.952 ; 0.33,-69.945 127.914,-69.945 150.546,-69.945

## Silkscreen, mask and mechanical layers (free items; w line width, h text height)
Top Overlay:
  text "CLOSE" at 4.242,-5.766 h1
  text "OPEN" at 11.303,-5.766 h1
  text "24V" at 4.953,-14.224 h1 r270
  text "L" at 5.258,-25.883 h1
  text "H" at 5.156,-29.337 h1
  text "GND" at 146.685,-39.726 h1
  text "3.3V" at 146.177,-41.631 h1
Bottom Overlay:
  text "+24V" at 1.397,-19.304 h2
  text "GND" at 1.549,-22.581 h2
  text "CAN_L" at 2.286,-26.289 h2
  text "CAN_H" at 2.261,-29.896 h2
  text "5V" at 37.795,-41.021 h0.7
  text "3.3V" at 42.113,-41.021 h0.7
  text "GND" at 8.103,-63.424 h2 r90
  text "+24V" at 15.062,-63.475 h2 r90
  text "IO板V1.3-2018.6.1" at 88.417,-66.218 h2
  text "http://www.chenghe.info/" at 91.338,-68.834 h2

## Text inside footprints (layer, text, board x,y; h text height)
J1: Top Overlay "1" at 0.914,-41.402 h1 r270; Top Overlay "2" at 0.965,-46.736 h1 r270; Top Overlay "3" at 14.63,-54.254 h1 r270; Top Overlay "5" at 14.376,-33.706 h1 r270